# Altium PCB ControlBoard.PcbDoc (part 1 of 2)
Units mm, origin at the board's own origin, x right, y up, seen from the top; angles counter-clockwise.
Board outline 111.33 x 150.7 mm, 2 copper layers (Top Layer, Bottom Layer); 147 components, 78 nets, 422 pads, 115 vias.
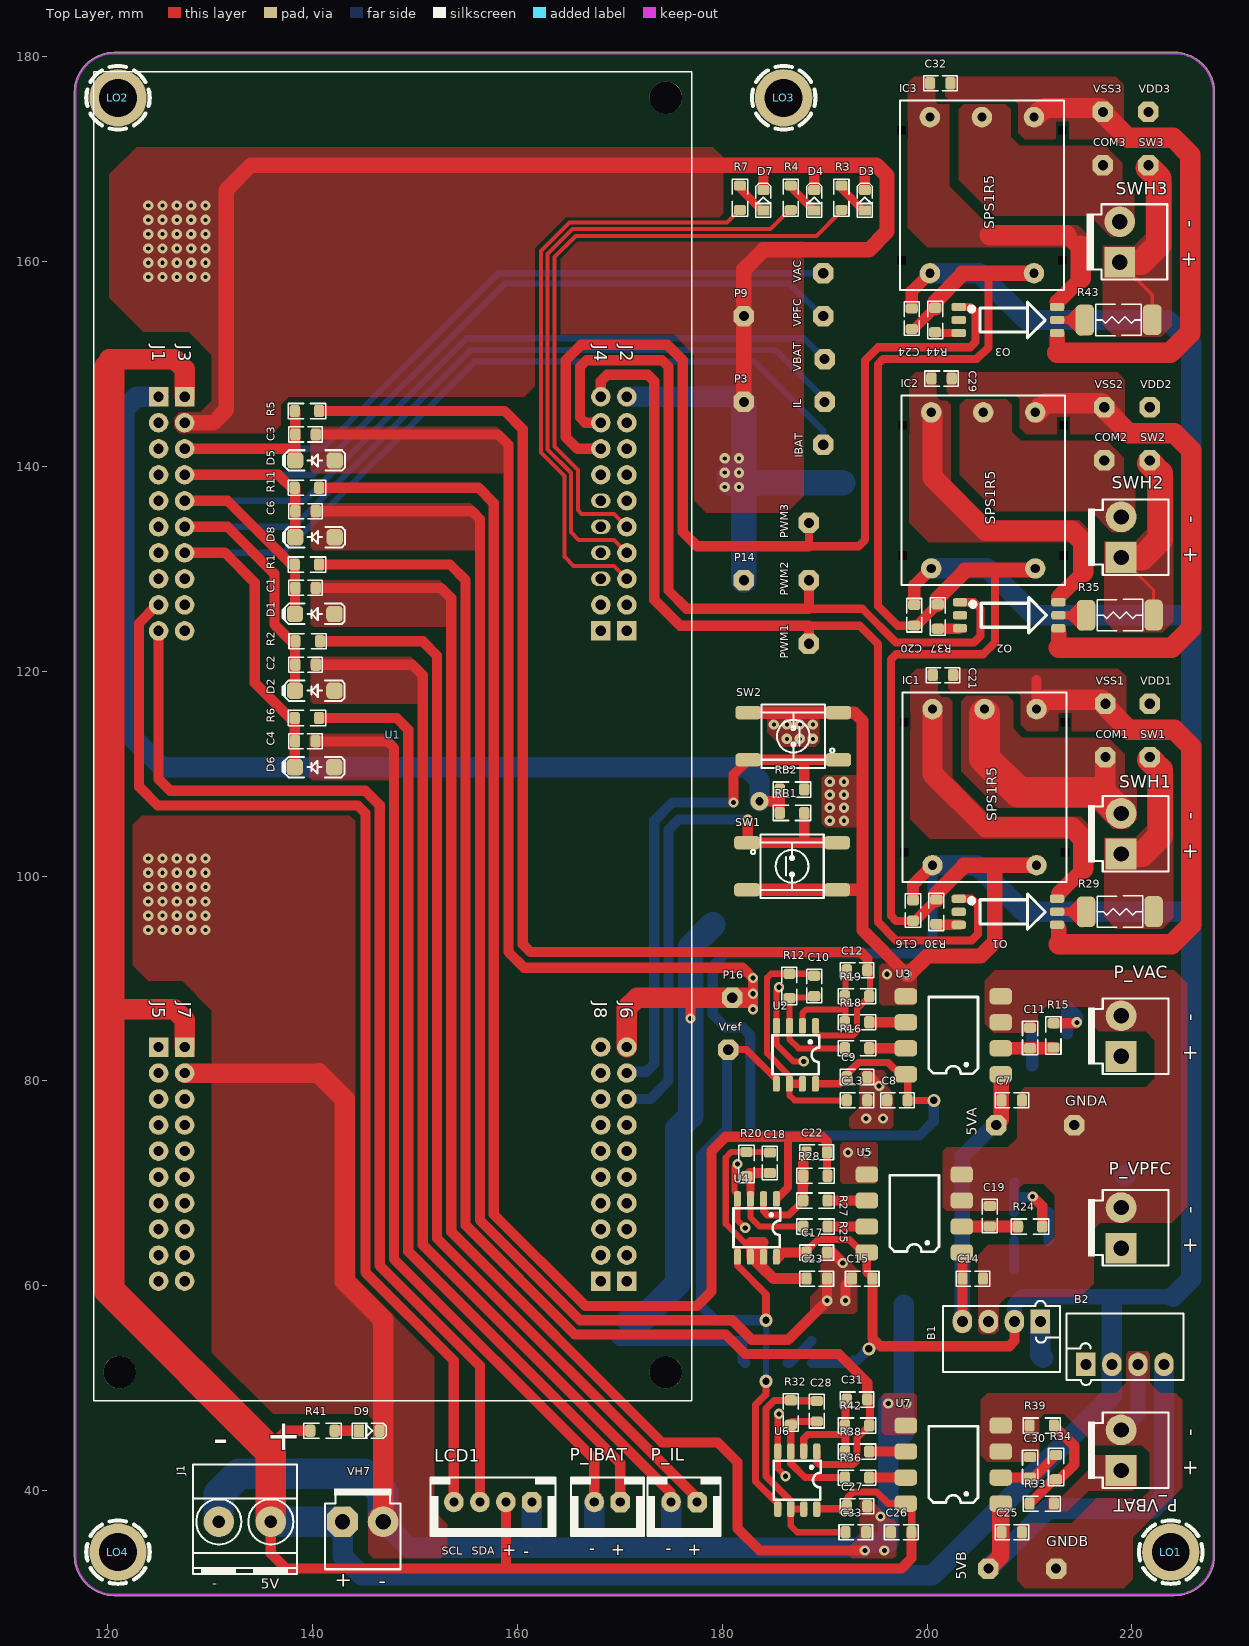
[diagram p0: Top Layer view]
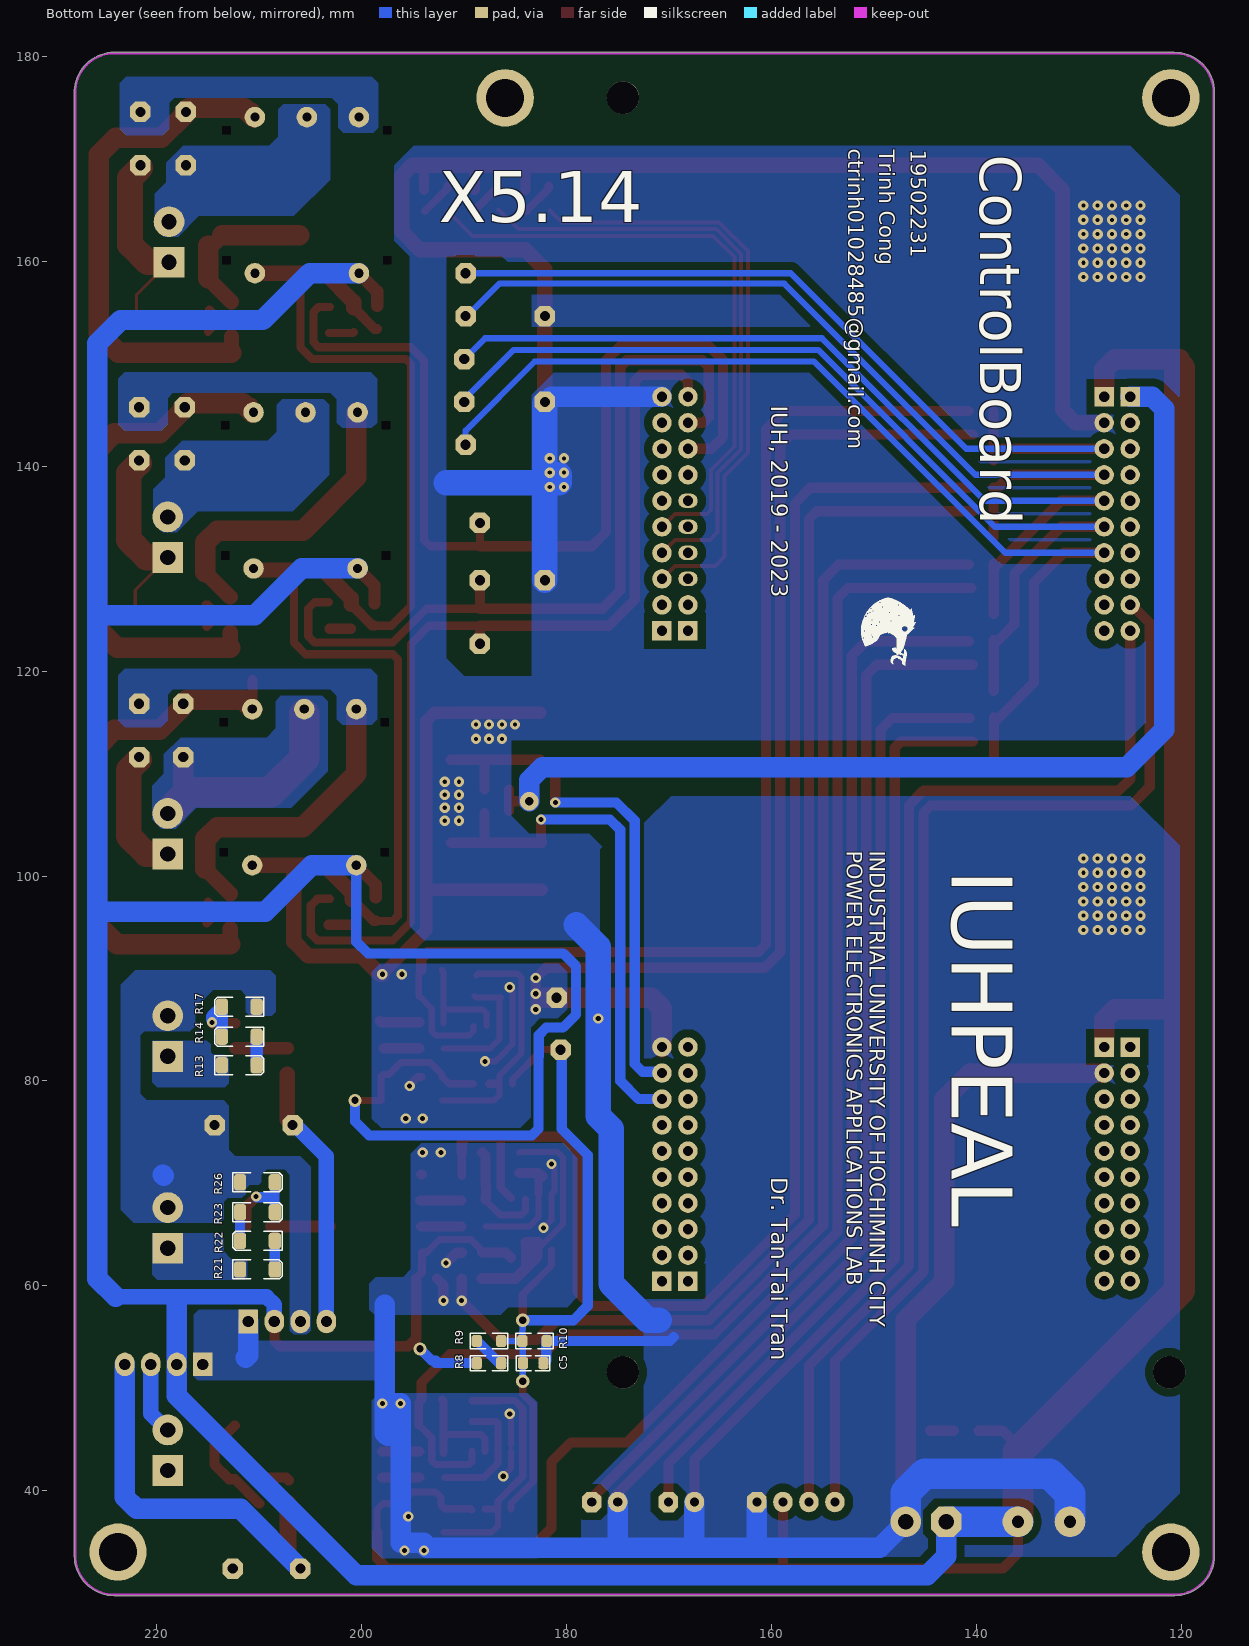
[diagram p1: Bottom Layer view, seen from below]

## Layer stack, top to bottom
Top Solder: solder mask 0.0102, Solder Resist, Dk 3.5
Top Layer: signal copper 0.0356
Dielectric 1: dielectric 0.32, FR-4, Dk 4.8
Bottom Layer: signal copper 0.0356
Bottom Solder: solder mask 0.0102, Solder Resist, Dk 3.5

## Board outline
116.74,33.652 cw(c116.835,33.655) 116.74,33.655 116.74,176.53 cw(c116.84,176.53) 116.74,176.532 cw(c120.65,176.53) 120.649,180.44 cw(c120.649,179.463) 120.65,180.44 224.155,180.44 cw(c224.155,180.375) 224.156,180.44 cw(c224.155,176.53) 228.062,176.681 cw(c227.965,176.657) 228.065,176.657 228.065,33.655 cw(c228,33.655) 228.065,33.654 ccw(c227.088,33.654) 228.065,33.655 228.065,33.654 cw(c224.155,33.655) 224.155,29.745 120.65,29.745 cw(c120.65,29.845) 120.649,29.745 ccw(c120.649,30.722) 120.65,29.745 120.649,29.745 cw(c120.65,33.655)

## Design rules (kind name [scope] priority, off if disabled: settings)
Clearance [All] p1: gap=0.254 ignorepadtopadclearanceinfootprint=FALSE
PolygonConnect [All] p1: connectstyle=Direct reliefconductorwidth=0.254 reliefentries=4 polygonreliefangle="90 Angle" airgapwidth=0.254
RoutingVias [All] p1: holewidth=0.711 width=1.27 viastyle="Through Hole" minholewidth=0.711 minwidth=1.27 maxholewidth=0.711 maxwidth=1.27
SolderMaskExpansion [All] p1: expansion=0.102 istentingtop=FALSE
Width [All] p1: maxlimit=10 minlimit=0.3 preferedwidth=1
30 further rules are at their usual default settings.

## Components (designator, comment, footprint, x,y, rotation, side; value= is the part's Value field where it differs from the comment)
5VA "test PCB" tp_red_1p 206.756,75.692 r0 top
5VB "test PCB" tp_red_1p 205.994,32.385 r0 top
B1 "B0505S 1WR3" B0505S 207.264,56.515 r180 top
B2 "B0505S 1WR3" B0505S 219.329,52.324 r0 top
C1 "22nF" cap_0805 139.319,128.143 r180 top
C2 "4.7nF" cap_0805 139.319,120.65 r180 top
C3 "4.7nF" cap_0805 139.319,143.129 r180 top
C4 "22nF" cap_0805 139.297,113.186 r180 top
C5 "100nF" cap_0805 183.261,52.451 r0 bottom
C6 "22nF" cap_0805 139.319,135.636 r180 top
C7 "100nF" cap_0805 208.28,78.105 r180 top
C8 "100nF" cap_0805 197.104,78.105 r180 top
C9 "100nF" cap_0805 193.167,80.391 r0 top
C10 "150pF" cap_0805 188.976,89.281 r90 top
C11 "4.7nF" cap_0805 210.058,84.201 r270 top
C12 "150pF" cap_0805 193.167,90.805 r180 top
C13 "1nF" cap_0805 193.167,78.105 r180 top
C14 "100nF" cap_0805 204.47,60.706 r180 top
C15 "100nF" cap_0805 193.675,60.706 r180 top
C16 "100nF" cap_0805 198.628,96.647 r90 top
C17 "100nF" cap_0805 189.23,63.246 r0 top
C18 "150pF" cap_0805 184.658,72.009 r90 top
C19 "22nF" cap_0805 206.121,66.802 r270 top
C20 "100nF" cap_0805 198.755,125.476 r90 top
C21 "0.1uF" cap_0805 201.549,119.634 r180 top
C22 "150pF" cap_0805 189.23,73.025 r180 top
C23 "1nF" cap_0805 189.23,60.706 r180 top
C24 "100nF" cap_0805 198.501,154.432 r90 top
C25 "100nF" cap_0805 208.28,35.941 r180 top
C26 "100nF" cap_0805 197.485,35.941 r180 top
C27 "100nF" cap_0805 193.167,38.481 r0 top
C28 "150pF" cap_0805 189.23,47.752 r90 top
C29 "0.1uF" cap_0805 201.422,148.59 r180 top
C30 "22nF" cap_0805 210.058,42.291 r270 top
C31 "150pF" cap_0805 193.167,48.895 r180 top
C32 "0.1uF" cap_0805 201.295,177.419 r180 top
C33 "1nF" cap_0805 193.04,35.941 r180 top
COM1 "test PCB" tp_white_1p 217.424,111.633 r0 top
COM2 "test PCB" tp_white_1p 217.297,140.589 r0 top
COM3 "test PCB" tp_white_1p 217.17,169.418 r0 top
D1 "ZMM3V3" D_SOD80 140.208,125.603 r180 top
D2 "ZMM3V3" D_SOD80 140.208,118.11 r180 top
D3 "=VALUE" LED0805RED 193.929,165.989 r90 top
D4 "=VALUE" LED0805RED 188.976,165.989 r90 top
D5 "ZMM3V3" D_SOD80 140.23,140.589 r180 top
D6 "ZMM3V3" D_SOD80 140.186,110.646 r180 top
D7 "=VALUE" LED0805RED 184.023,165.989 r90 top
D8 "ZMM3V3" D_SOD80 140.23,133.096 r180 top
D9 "=VALUE" LED0805RED 145.542,45.847 r0 top
GNDA "test PCB" Tp_black_1p 214.376,75.692 r0 top
GNDB "test PCB" Tp_black_1p 212.598,32.385 r0 top
IBAT "test PCB" tp_yellow_1p 189.865,142.113 r180 top
IC1 "SPD1R5-5-1515" SPS1R5 213.614,99.441 r90 top
IC2 "SPD1R5-5-1515" SPS1R5 213.486,128.418 r90 top
IC3 "SPD1R5-5-1515" SPS1R5 213.359,157.247 r90 top
IL "test PCB" tp_yellow_1p 189.992,146.304 r180 top
J1 "CONN_TB2" TBG_2 133.386,36.957 r180 top
LCD1 "HHDR_4" XH_4 157.607,38.887 r180 top
LO1 "LO KHOAN" SCMH_M3P5FT 223.8,34 r0 top
LO2 "LO KHOAN" SCMH_M3P5FT 121,176 r0 top
LO3 "LO KHOAN" SCMH_M3P5FT 186,176 r0 top
LO4 "LO KHOAN" SCMH_M3P5FT 121,34 r0 top
O1 "TLP5754" TLP5754 207.899,96.52 r0 top
O2 "TLP5754" TLP5754 208.026,125.476 r0 top
O3 "TLP5754" TLP5754 207.899,154.305 r0 top
P3 "test PCB" Tp_black_1p 182.118,146.304 r90 top
P9 "test PCB" Tp_black_1p 182.118,154.686 r90 top
P14 "test PCB" Tp_black_1p 182.118,128.905 r0 top
P16 "test PCB" Tp_black_1p 180.975,88.138 r270 top
P_IBAT "HHDR_2" XH_2 168.783,38.887 r180 top
P_IL "HHDR_2" XH_2 176.276,38.887 r180 top
P_VAC "HHDR_2" VH-2#1 218.948,84.38 r90 top
P_VBAT "HHDR_2" VH-2#1 218.948,43.942 r90 top
P_VPFC "HHDR_2" VH-2#1 218.948,65.659 r90 top
PWM1 "test PCB" tp_yellow_1p 188.468,122.682 r0 top
PWM2 "test PCB" tp_yellow_1p 188.468,128.905 r0 top
PWM3 "test PCB" tp_yellow_1p 188.468,134.493 r0 top
R1 "470" R0805 139.446,130.429 r0 top
R2 "680" R0805 139.525,122.936 r0 top
R3 "1K" R0805 191.643,166.243 r90 top
R4 "1K" R0805 186.69,166.243 r90 top
R5 "680" R0805 139.446,145.415 r0 top
R6 "470" R0805 139.446,115.443 r0 top
R7 "1K" R0805 181.737,166.243 r90 top
R8 "2K" R0805 187.579,52.451 r0 bottom
R9 "2K" R0805 187.579,54.61 r0 bottom
R10 "1K" R0805 183.134,54.61 r0 bottom
R11 "470" R0805 139.446,137.922 r0 top
R12 "1.2K" R0805 186.563,89.281 r90 top
R13 "1M" R1206 211.963,81.534 r180 bottom
R14 "1M" R1206 211.963,84.328 r0 bottom
R15 "680" R0805 212.344,84.455 r90 top
R16 "1K" R0805 193.167,83.185 r180 top
R17 "1.2K" R1206 211.963,87.249 r0 bottom
R18 "1K" R0805 193.167,85.725 r180 top
R19 "1.2K" R0805 193.167,88.265 r180 top
R20 "1.5K" R0805 182.372,71.882 r90 top
R21 "1M" R1206 210.185,61.595 r180 bottom
R22 "1M" R1206 210.185,64.389 r0 bottom
R23 "1M" R1206 210.185,67.183 r180 bottom
R24 "470" R0805 210.058,65.786 r0 top
R25 "1K" R0805 189.103,65.786 r180 top
R26 "1.2K" R1206 210.185,70.104 r180 bottom
R27 "1K" R0805 189.103,68.326 r180 top
R28 "1.5K" R0805 189.103,70.739 r180 top
R29 "8R2 1W" R2512 218.821,96.52 r0 top
R30 "150R" R0805 200.914,96.52 r270 top
R32 "4.7K" R0805 186.69,47.625 r90 top
R33 "680K" R0805 211.201,38.735 r180 top
R34 "470" R0805 212.598,42.291 r270 top
R35 "8R2 1W" R2512 218.821,125.476 r0 top
R36 "3.3K" R0805 193.167,41.275 r180 top
R37 "150R" R0805 201.041,125.349 r270 top
R38 "3.3K" R0805 193.167,43.815 r180 top
R39 "3K" R0805 211.201,46.355 r0 top
R41 "1K" R0805 140.97,45.847 r0 top
R42 "4.7K" R0805 193.167,46.355 r180 top
R43 "8R2 1W" R2512 218.694,154.305 r0 top
R44 "150R" R0805 200.787,154.305 r270 top
RB1 "10K" R0805 186.817,106.172 r0 top
RB2 "10K" R0805 186.817,108.458 r0 top
SW1 "SW" SWPBS_SPDT_6X6X5 186.817,100.965 r0 top value="Button chip 4 pin"
SW1 "test PCB" Tp_blue_1p 221.742,111.633 r0 top
SW2 "SW" SWPBS_SPDT_6X6X5 186.944,113.665 r180 top value="Button chip 4 pin"
SW2 "test PCB" Tp_blue_1p 221.742,140.589 r0 top
SW3 "test PCB" Tp_blue_1p 221.615,169.418 r0 top
SWH1 "HHDR_2" VH-2#1 218.948,104.14 r90 top
SWH2 "HHDR_2" VH-2#1 218.948,133.096 r90 top
SWH3 "HHDR_2" VH-2#1 218.821,161.925 r90 top
U1 "LAUNCHXL-F28379D" MOD_LC-F28379D 147.828,113.157 r0 top
U2 "LM358" SOIC-8 187.198,82.55 r270 top
U3 "HCPL 7800" SOP-8P 202.565,86.36 r180 top
U4 "LM358" SOIC-8 183.388,65.659 r270 top
U5 "HCPL 7800" SOP-8P 198.755,68.961 r180 top
U6 "LM358" SOIC-8 187.325,41.021 r270 top
U7 "HCPL 7800" SOP-8P 202.565,44.45 r180 top
VAC "test PCB" tp_yellow_1p 189.865,158.877 r180 top
VBAT "test PCB" tp_yellow_1p 189.992,150.495 r180 top
VDD1 "test PCB" tp_red_1p 221.742,116.84 r0 top
VDD2 "test PCB" tp_red_1p 221.742,145.796 r0 top
VDD3 "test PCB" tp_red_1p 221.615,174.625 r0 top
VH7 "HHDR_2" VH-2#2 144.907,36.957 r0 top
VPFC "test PCB" tp_yellow_1p 189.865,154.686 r90 top
Vref "test PCB" tp_red_1p 180.594,83.058 r270 top
VSS1 "test PCB" Tp_black_1p 217.424,116.84 r0 top
VSS2 "test PCB" Tp_black_1p 217.297,145.796 r0 top
VSS3 "test PCB" Tp_black_1p 217.17,174.625 r0 top

## Footprints (in the part's own frame and the unit in brackets; to place one, negate y for a bottom-side part, rotate by r counter-clockwise, add the part's x,y. Pads: shape width x height; smd on the part's side, far side on the other; paste and mask are expansions set on the pad)
B0505S [mm] "B0505S 1WR3 Isolated Module DC DC Converter"
  rect 1.9x2.3 hole 1.1: 1(-3.81,0)
  oval 1.9x2.3 hole 1.1: 2(-1.27,0) 3(1.27,0) 4(3.81,0)
  silkscreen extent -5.72,-2.02 5.71,4.95, body extent -5.8,-0.92 5.8,5.08, height 10.26
cap_0805 [mm] "CHIP Capacitor, 2.0X1.3mm, 0805"
  rrect50% 1x1.2 smd mask+0.075: 1(-1,0) 2(1,0)
  silkscreen extent -1.64,-0.74 1.64,0.74, body extent -1,-0.62 1,0.63, height 1
D_SOD80 [mm] "SOD-80 500mW"
  rrect50% 1.6x1.6 smd paste-0.1: 1(-1.927,0) 2(1.927,0)
  silkscreen extent -2.93,-1 3.13,1, body extent -1.75,-0.74 1.75,0.76, height 1.5
LED0805RED [mm] "LED SMD 0805, RED"
  rect 1x1.2 smd mask+0.075: 1(-1,0)
  rrect50% 1x1.2 smd mask+0.075: 2(1,0)
  Top Layer pour cut-out: -0.5,0.8 0.5,0.8 0.5,-0.8 -0.5,-0.8
  silkscreen extent -1.65,-0.74 1.65,0.74, body extent -1,-0.63 1,0.63, height 0.7
MOD_LC-F28379D [mm]
  rect 1.9x1.9 hole 1: J1_1(-22.86,33.655) J2_1(22.86,10.795) J3_1(-20.32,33.655) J4_1(20.32,10.795) J5_1(-22.86,-29.845) J6_1(22.86,-52.705) J7_1(-20.32,-29.845) J8_1(20.32,-52.705)
  round 1.9 hole 1: J1_2(-22.86,31.115) J1_3(-22.86,28.575) J1_4(-22.86,26.035) J1_5(-22.86,23.495) J1_6(-22.86,20.955) J1_7(-22.86,18.415) J1_8(-22.86,15.875) J1_9(-22.86,13.335) J1_10(-22.86,10.795) J2_2(22.86,13.335) J2_3(22.86,15.875) J2_4(22.86,18.415) J2_5(22.86,20.955) J2_6(22.86,23.495) J2_7(22.86,26.035) J2_8(22.86,28.575) J2_9(22.86,31.115) J2_10(22.86,33.655) J3_2(-20.32,31.115) J3_3(-20.32,28.575) J3_4(-20.32,26.035) J3_5(-20.32,23.495) J3_6(-20.32,20.955) J3_7(-20.32,18.415) J3_8(-20.32,15.875) J3_9(-20.32,13.335) J3_10(-20.32,10.795) J4_2(20.32,13.335) J4_7(20.32,26.035) J4_8(20.32,28.575) J4_9(20.32,31.115) J4_10(20.32,33.655) J5_2(-22.86,-32.385) J5_3(-22.86,-34.925) J5_4(-22.86,-37.465) J5_5(-22.86,-40.005) J5_6(-22.86,-42.545) J5_7(-22.86,-45.085) J5_8(-22.86,-47.625) J5_9(-22.86,-50.165) J5_10(-22.86,-52.705) J6_2(22.86,-50.165) J6_3(22.86,-47.625) J6_4(22.86,-45.085) J6_5(22.86,-42.545) J6_6(22.86,-40.005) J6_7(22.86,-37.465) J6_8(22.86,-34.925) J6_9(22.86,-32.385) J6_10(22.86,-29.845) J7_2(-20.32,-32.385) J7_3(-20.32,-34.925) J7_4(-20.32,-37.465) J7_5(-20.32,-40.005) J7_6(-20.32,-42.545) J7_7(-20.32,-45.085) J7_8(-20.32,-47.625) J7_9(-20.32,-50.165) J7_10(-20.32,-52.705) J8_2(20.32,-50.165) J8_3(20.32,-47.625) J8_4(20.32,-45.085) J8_5(20.32,-42.545) J8_6(20.32,-40.005) J8_7(20.32,-37.465) J8_8(20.32,-34.925) J8_9(20.32,-32.385) J8_10(20.32,-29.845)
  oval 1.9x1.4 hole 1: J4_3(20.32,15.875) J4_4(20.32,18.415) J4_5(20.32,20.955) J4_6(20.32,23.495)
  round 3.175 hole 3.175 unplated: ""(-26.67,-61.595) ""(-26.67,62.865) ""(26.67,-61.595) ""(26.67,62.865)
  silkscreen extent -29.21,-64.39 29.21,65.41, body extent -24,-53.98 24,34.93, height 8.61
R0805 [mm] "0.125W 1/8W"
  rrect50% 1x1.2 smd mask+0.05: 1(-1.191,0) 2(1.191,0)
  silkscreen extent -1.83,-0.74 1.83,0.74, body extent -1.15,-0.67 1.15,0.67, height 0.76
R1206 [mm] "0.25W 1/4W"
  rrect50% 1.2x1.6 smd mask+0.05: 1(-1.699,0) 2(1.699,0)
  silkscreen extent -2.41,-0.93 2.41,0.93, body extent -1.6,-0.8 1.6,0.8, height 0.62
R2512 [mm] "CHIP RESISTOR 1WATT 2512"
  rrect50% 1.8x3 smd mask+0.05: 1(-3.287,0) 2(3.298,0.022)
  silkscreen extent -2.22,-1.52 2.22,1.55, body extent -3.15,-1.6 3.15,1.6, height 0.66
SCMH_M3P5FT [mm] "SCREW mouting, M3.5, 3.5mm diameter and 7.0mm, FlatHead"
  round 5.6 / inner round 4 / far side round 5.6 hole 3.7 mask+0.1: 1(0,0)
  Top Layer pour cut-out: 0,3.3 -0.216,3.3 -0.645,3.244 -1.063,3.132 -1.463,2.966 -1.837,2.75 -2.181,2.486 -2.486,2.181 -2.75,1.837 -2.966,1.463 -3.132,1.063 -3.244,0.645 -3.3,0.216 -3.3,0 -3.3,0 -3.3,-0.216 -3.244,-0.645 -3.132,-1.063 -2.966,-1.463 -2.75,-1.837 -2.486,-2.181 -2.181,-2.486 -1.837,-2.75 -1.463,-2.966 -1.063,-3.132 -0.645,-3.244 -0.216,-3.3 0,-3.3 0,-3.3 0.216,-3.3 0.645,-3.244 1.063,-3.132 1.463,-2.966 1.837,-2.75 2.18,-2.486 2.486,-2.181 2.75,-1.837 2.966,-1.463 3.132,-1.063 3.244,-0.645 3.3,-0.216 3.3,0 3.3,0.216 3.244,0.645 3.132,1.063 2.966,1.463 2.75,1.837 2.486,2.181 2.181,2.486 1.837,2.75 1.463,2.966 1.063,3.132 0.645,3.244 0.216,3.3 0,3.3
  Bottom Layer pour cut-out: 0,3.3 -0.216,3.3 -0.645,3.244 -1.063,3.132 -1.463,2.966 -1.837,2.75 -2.181,2.486 -2.486,2.181 -2.75,1.837 -2.966,1.463 -3.132,1.063 -3.244,0.645 -3.3,0.216 -3.3,0 -3.3,0 -3.3,-0.216 -3.244,-0.645 -3.132,-1.063 -2.966,-1.463 -2.75,-1.837 -2.486,-2.181 -2.181,-2.486 -1.837,-2.75 -1.463,-2.966 -1.063,-3.132 -0.645,-3.244 -0.216,-3.3 0,-3.3 0,-3.3 0.216,-3.3 0.645,-3.244 1.063,-3.132 1.463,-2.966 1.837,-2.75 2.18,-2.486 2.486,-2.181 2.75,-1.837 2.966,-1.463 3.132,-1.063 3.244,-0.645 3.3,-0.216 3.3,0 3.3,0.216 3.244,0.645 3.132,1.063 2.966,1.463 2.75,1.837 2.486,2.181 2.181,2.486 1.837,2.75 1.463,2.966 1.063,3.132 0.645,3.244 0.216,3.3 0,3.3
  silkscreen extent -3.1,-3.1 3.1,3.1
SOIC-8 [mm]
  rrect50% 1.5x0.7 smd: 1(-2.827,1.905) 2(-2.827,0.635) 3(-2.827,-0.635) 4(-2.827,-1.905) 5(2.827,-1.905) 6(2.827,-0.635) 7(2.827,0.635) 8(2.827,1.905)
  silkscreen extent -1.91,-2.29 1.91,2.29, body extent -3,-2.45 3,2.45, height 1.7
SOP-8P [mm]
  rrect50% 2.2x1.6 smd: 1(-4.636,5.715) 2(-4.636,3.175) 3(-4.635,0.635) 4(-4.635,-1.905) 5(4.635,-1.905) 6(4.635,0.635) 7(4.635,3.175) 8(4.635,5.715)
  silkscreen extent -2.41,-1.84 2.41,5.65, body extent -4.76,-2.99 4.89,6.81, height 3.78
SPS1R5 [mm] "SPS1R5"
  round 2 hole 0.9: 1(1.63,13.08) 2(1.63,2.92) 3(16.87,2.92) 4(16.87,8) 5(16.87,13.08)
  round 0 hole 0.8 square: ""(2.9,15.85) ""(2.9,0.15) ""(15.6,0.15) ""(15.6,15.85)
  silkscreen extent 0,0 18.5,16
SWPBS_SPDT_6X6X5 [mm] "SWITCH, PUSHBUTTON, SMD, SPDT, 6X6mm 4PIN"
  rrect50% 2.5x1.3 smd mask+0.1: 1(-4.4,2.3) 2(-4.4,-2.3) 3(4.4,2.3) 4(4.4,-2.3)
  silkscreen extent -4,-3.1 3.1,3.1, body extent -5,-3 5,3, height 5.07
TBG_2 [mm] "Terminal Block Green"
  round 3 hole 1.2: 1(-2.54,0) 2(2.54,0)
  silkscreen extent -5.08,-5.6 5.05,5.08, body extent -5,-5.5 5,5, height 14
TLP5754 [mm] "TLP5754"
  rrect50% 1.4x0.8 smd: 1(-4.8,1.27) 2(-4.8,0) 3(-4.8,-1.27) 4(4.8,-1.27) 5(4.8,0) 6(4.8,1.27)
  silkscreen extent -3.76,-1.75 3.63,1.75, body extent -5,-1.92 5,1.92, height 2.2
Tp_black_1p [mm]
  oct 2x2 hole 1: 1(0,0)
  body extent -1.15,-1.15 1.15,1.15, height 5
Tp_blue_1p [mm]
  oct 2x2 hole 1: 1(0,0)
  body extent -1.15,-1.15 1.15,1.15, height 5
tp_red_1p [mm]
  oct 2x2 hole 1: 1(0,0)
  body extent -1.15,-1.15 1.15,1.15, height 5
tp_white_1p [mm]
  oct 2x2 hole 1: 1(0,0)
  body extent -1.15,-1.15 1.15,1.15, height 5
tp_yellow_1p [mm]
  oct 2x2 hole 1: 1(0,0)
  body extent -1.15,-1.15 1.15,1.15, height 5
VH-2#1 [mm] "PW10-xx-M, JST-BxB-XH-A pitch: 2.5mm"
  rect 3x3 hole 1.5: 1(-1.98,0)
  round 3 hole 1.5: 2(1.98,0)
  silkscreen extent -3.68,-4.64 3.68,3.24, body extent -3.93,-4.8 3.93,3.7, height 10.9
VH-2#2 [mm] "PW10-xx-M, JST-BxB-XH-A pitch: 2.5mm"
  oct 3x3 hole 1.5: 1(-1.98,0)
  round 3 hole 1.5: 2(1.98,0)
  silkscreen extent -3.68,-4.64 3.68,3.24, body extent -3.93,-4.8 3.93,3.7, height 10.9
XH_2 [mm] "PW10-xx-M, JST-BxB-XH-A pitch: 2.5mm"
  oct 1.9x2 hole 0.9: 1(-1.27,0)
  oval 1.9x2 hole 0.9: 2(1.27,0)
  silkscreen extent -3.56,-2.4 3.56,3.3, body extent -3.61,-2.49 3.61,3.35, height 7.21
XH_4 [mm] "PW10-xx-M, JST-BxB-XH-A pitch: 2.5mm"
  oct 1.9x2 hole 0.9: 1(-3.81,0)
  oval 1.9x2 hole 0.9: 2(-1.27,0) 3(1.27,0) 4(3.81,0)
  silkscreen extent -6.1,-2.4 6.1,3.3, body extent -6.15,-2.49 6.15,3.35, height 7.21

## Part data
5VA 5VB COM1 COM2 COM3 GNDA GNDB IBAT IL P3 P9 P14 P16 PWM1 PWM2 PWM3 SW1 SW2 SW3 VAC VBAT VDD1 VDD2 VDD3 VPFC Vref VSS1 VSS2 VSS3: "testpin"
B1 B2: "B0505S 1WR3 Isolated Module DC DC Converter"
C1 C2 C3 C4 C5 C6 C7 C8 C9 C10 C11 C12 C13 C14 C15 C16 C17 C18 C19 C20 C21 C22 C23 C24 C25 C26 C27 C28 C29 C30 C31 C32 C33: library part "CAP SMD", "CAP SMD", ASSEMBLY=ASSEMBLY, MANF=-, MANF_P#=MANF_PART#, PARAM="-, -%", PARAM2=-V, PRICE="100= 1$"
D1 D2 D5 D6 D8: library part "DIODE Zener", "DIODE ZENER", ASSEMBLY=ASSEMBLY, DESC=DESCRIPTION, MANF=MANF, MANF_P#=1N4148, PARAM=75V, PARAM2=0.3A, PRICE=PRICE
D3 D4 D7 D9: library part LED_SMD_0805_RED, "LED, SMD, 0805, RED", ASSEMBLY=ASSEMBLY, DESC=DESCRIPTION, MANF=MANF, MANF_P#=MANF_PART#, PARAM2=2.2V, PRICE=36t@Javan
IC1 IC2 IC3: "Power supply Driver SPD1R5-5-1515 / Efficiency 80% / Input 0.381A / Output 50mA"
J1: "CONN, TERMINAL BLOCK, 5.08mm pitch"
LCD1: library part "LCD I2C", "LCD I2C JST-XH pitch: 2.5mm"
O1 O2 O3: Package="DIP-8 Toshiba", Availability="In Stock", Check_prices=https://www.snapeda.com/parts/TLP250/Toshiba+Semiconductor+and+Storage/view-part/?ref=eda, MF="Toshiba Semiconductor", MP=TLP250, PRICE=None, Purchase-URL=https://pricing.snapeda.com/search/part/TLP250/?ref=eda, SnapEDA_Link=https://www.snapeda.com/parts/TLP250/Toshiba+Semiconductor+and+Storage/view-part/?ref=snap
P_IBAT P_IL: library part XH_2, "XH 2 JST-XH pitch: 2.5mm"
P_VAC P_VBAT P_VPFC SWH1 SWH2 SWH3 VH7: library part VH-2, "VH-2"
R1 R2 R3 R4 R5 R6 R7 R8 R9 R10 R11 R12 R13 R14 R15 R16 R17 R18 R19 R20 R21 R22 R23 R24 R25 R26 R27 R28 R29 R30 R32 R33 R34 R35 R36 R37 R38 R39 R41 R42 R43 R44 RB1 RB2: library part "RES SMD", "RES SMD", ASSEMBLY=ASSEMBLY, DESC=DESCRIPTION, DIST#=MOUSER, MANF=VISHAY, MANF_P#=WSLP0805R0100FEA, PARAM="0.5W, -55~155oC", PARAM2=1%, PRICE=0.5$
SW1 SW2: library part SW4, "Switch button 4 pin"
U1: Package=None, Availability=Unavailable, MP=LAUNCHXL-F28379D, PRICE=None
U2 U4 U6: "LM358 Dual Opamp"
U3 U5 U7: "HCPL 7800 Isolation Amplifer, Opamp"

## Via types
v1: diameter 1, hole 0.4, Top Layer to Bottom Layer, 81 vias
v2: diameter 1, hole 0.5, Top Layer to Bottom Layer, 29 vias
v3: diameter 1.3, hole 0.711, Top Layer to Bottom Layer, 2 vias
v4: diameter 1.27, hole 0.711, Top Layer to Bottom Layer, 1 vias
v5: diameter 1.8, hole 0.8, Top Layer to Bottom Layer, 1 vias
v6: diameter 1.27, hole 0.7, Top Layer to Bottom Layer, 1 vias

## Nets (pads, with @x,y where several pads share a name; then routed paths per layer and width w, separated by ;. In a path a pad name is that pad's centre, name@x,y a point inside that pad or via, vN(x,y) a via of type N, cw(c..) or ccw(c..) an arc to the next point about the centre after c; other vN are vias at no path point)
1VA: C10.2 C13.2 R12.2 U2.6 U2.7 | length 23.6
  Top Layer w0.6: U2.6@186.563,79.723 186.563,78.613 187.071,78.105 C13.2@192.151,78.105 ; U2.6@186.563,79.883 186.563,80.518 184.389,82.692 184.389,84.5 184.389,90.075 184.785,90.472 R12.2@186.563,90.472 188.674,90.472 C10.2@188.849,90.297
  Top Layer w0.8: U2.6@186.69,79.756 186.723,79.723 U2.7@187.579,79.723
1VB: C18.2 C23.2 R20.2 U4.6 U4.7 | length 24.8
  Top Layer w0.6: 182.435,63.944 180.34,66.04 180.34,72.517 180.896,73.073 R20.2@182.372,73.073 184.594,73.073 C18.2@184.658,73.009
  Top Layer w1: 182.753,64.262 184.023,64.262
  Top Layer w1.1: 182.88,64.102 182.88,63.5 182.88,62.832 183.761,61.951 185.006,60.706 C23.2@188.23,60.706 ; U4.7@183.896,62.086 183.896,62.832 183.896,64.102
1VC: C28.2 C33.2 R32.2 U6.6 U6.7 | length 24.7
  Top Layer w0.6: U6.6@186.69,38.194 186.69,36.576 187.325,35.941 C33.2@192.024,35.941
  Top Layer w0.7: R32.2@186.563,48.768 189.214,48.768 C28.2@189.23,48.752 ; R32.2@186.69,48.816 185.073,48.806 184.277,48 184.277,41.402 186.69,38.989 U6.6@186.69,38.194 U6.7@187.96,38.194
3V3: RB1.1 RB2.1 U1.J1_1 | length 105.3
  Top Layer w1: v5(183.642,107.315) 185.626,107.315 ; RB1.1@185.626,106.378 185.626,107.315 ; RB2.1@185.626,108.458 185.626,107.315
  Bottom Layer w2: U1.J1_1@124.968,146.812 122.809,146.812 121.634,145.637 121.634,114.3 125.317,110.617 182.372,110.617 183.642,109.347 v5(183.642,107.315)
5VA: 5VA.1 B1.4 C7.2 C14.2 U3.1 U5.1 | length 32.6
  Top Layer w1: U5.1@203.391,63.246 203.47,63.167 C14.2@203.47,60.706 B1.4@203.47,56.531
  Top Layer w1.5: 5VA.1@206.756,75.692 207.264,76.2 U3.1@207.264,80.645
  Bottom Layer w1.5: B1.4@203.454,56.515 203.454,72.644 206.502,75.692 5VA.1@206.756,75.692
5VB: 5VB.1 B2.4 C25.2 U7.1 | length 39.8
  Top Layer w1.7: 5VB.1@205.994,32.385 207.201,33.591 U7.1@207.201,38.735
  Bottom Layer w2: 5VB.1@205.994,32.385 211.836,38.227 221.996,38.227 223.139,39.37 B2.4@223.139,52.324
+5: B1.2 B2.2 C8.1 C9.1 C15.1 C16.2 C17.1 C20.2 C24.2 C26.1 C27.1 IC1.1 IC2.1 IC3.1 J1.1 LCD1.2 R8.2 R41.1 U1.J3_1 U1.J7_1 U2.8 U3.8 U4.8 U5.8 U6.8 U7.8 VH7.1 | length 669.5
  Top Layer w0.7: C17.1@188.214,63.373 189.357,64.516 192.405,64.516 U5.8@193.675,63.246 ; U2.8@189.103,79.723 191.483,79.723 C9.1@192.151,80.391 ; U6.8@189.23,38.1 189.357,38.227 191.897,38.227 192.278,38.608 192.278,39.37 192.786,39.878 195.072,39.878 196.215,38.735 U7.8@197.929,38.735 198.501,38.163 C26.1@198.501,35.941 ; C9.1@192.167,80.391 192.167,80.661 193.294,81.788 196.215,81.788 197.358,80.645 U3.8@197.929,80.645 198.12,80.454 C8.1@198.12,78.105 ; C8.1@198.104,78.105 C8.1@198.12,78.105 ; v4(200.66,78.105) C8.1@198.12,78.105
  Top Layer w0.8: U5.8@193.675,63.246 U5.8@194.119,63.246 194.119,61.277 C15.1@194.691,60.706
  Top Layer w1: 135.636,44.069 137.414,45.847 R41.1@139.779,45.847 ; J1.1@135.926,36.957 135.926,33.873 137.414,32.385 197.485,32.385 198.485,33.385 C26.1@198.485,35.941 ; 136.212,42.28 136.819,42.886 ; 158.877,32.512 LCD1.2@158.877,38.887 ; U4.8@185.42,62.738 185.928,63.246 C17.1@188.23,63.246 ; v6(194.31,53.848) 194.945,54.483 ; C15.1@194.675,60.706 194.675,54.88 195.453,54.102 208.026,54.102 208.534,54.61 B1.2@208.534,56.515
  Top Layer w1.2: C24.2@198.501,155.702 198.501,157.099 IC3.1@200.279,158.877 ; C16.2@198.628,97.917 198.628,99.165 IC1.1@200.534,101.071 ; C20.2@198.755,126.619 198.755,128.397 IC2.1@200.406,130.048
  Top Layer w2: 120.142,86.995 126.492,86.995 127.508,85.979 U1.J7_1@127.508,83.312 ; 120.142,150.495 126.492,150.495 127.508,149.479 U1.J3_1@127.508,146.812
  Top Layer w3: 120.142,149.606 120.142,86.995 120.142,59.563 135.926,43.779 135.926,42.28 J1.1@135.926,37.247
  Bottom Layer w1: R8.2@188.769,52.451 192.786,52.451 ; 192.786,52.705 193.167,52.705 v6(194.31,53.848) ; IC1.1@200.534,101.071 200.534,93.6 199.39,92.456 180.34,92.456 179.07,91.186 179.07,86.487 180.34,85.217 181.991,85.217 182.729,84.479 182.729,82.423 182.753,82.399 182.753,75.311 183.388,74.676 199.263,74.676 200.66,76.073 v4(200.66,78.105)
  Bottom Layer w1.5: B1.2@208.534,56.515 208.534,58.166 209.296,58.928 224.028,58.928
  Bottom Layer w2: VH7.1@142.927,36.957 142.927,33.603 144.78,31.75 200.533,31.75 218.059,49.276 B2.2@218.059,52.324 218.059,58.42 ; IC3.1@200.279,158.877 205.105,158.877 209.677,154.305 223.52,154.305 225.806,152.019 225.806,125.476 ; IC2.1@200.406,130.048 205.867,130.048 210.439,125.476 225.806,125.476 ; IC1.1@200.534,101.071 204.872,101.071 209.423,96.52 225.806,96.52 ; 224.028,58.928 225.806,60.706 225.806,96.52 ; 225.806,96.52 225.806,125.476
  Bottom Layer w3: J1.1@135.926,36.957 VH7.1@142.875,36.957
COM1: COM1.1 IC1.4 SWH1.2 | length 23.9
  Top Layer w2: 217.398,107.67 217.424,107.696 COM1.1@217.424,111.633
  Top Layer w3: IC1.4@205.614,115.824 205.614,111.505 208.915,108.204 216.864,108.204 217.398,107.67 SWH1.2@218.948,106.12
COM2: COM2.1 IC2.4 SWH2.2
COM3: COM3.1 IC3.4 SWH3.2
GND: B1.1 B2.1 C1.1 C2.1 C3.1 C4.1 C5.1 C6.1 C8.2 C9.2 C13.1 C15.2 C16.1 C17.2 C20.1 C23.1 C24.1 C26.2 C27.2 C33.1 D1.1 D2.1 D3.2 D4.2 D5.1 D6.1 D7.2 D8.1 D9.2 IC1.2 IC2.2 IC3.2 J1.2 LCD1.1 P3.1 P9.1 P14.1 P16.1 P_IBAT.2 P_IL.2 R10.1 R30.1 R37.1 R44.1 SW1.2 SW1.4 SW2.2 SW2.4 U1.J2_10 U1.J3_2 U1.J6_10 U1.J7_2 U2.4 U3.5 U4.4 U5.5 U6.4 U7.5 VH7.2 | length 1203.5
  Top Layer w0.6: v2(181.483,71.882) 181.194,71.593 181.194,69.215 181.483,68.926 U4.4@181.483,68.486 181.483,66.421 v2(182.245,65.659) ; U6.4@185.42,43.848 185.42,42.164 v2(186.182,41.402) ; U6.4@185.42,44.45 185.42,47.371 v2(185.547,47.498) ; v2(185.547,89.154) 185.293,88.9 U2.4@185.293,85.377 185.293,83.566 186.331,82.528 186.944,81.915 v2(187.96,81.915)
  Top Layer w0.8: C9.2@194.167,80.391 194.564,80.391 195.326,79.629 v2(195.326,79.502) ; C16.1@198.501,95.631 196.977,95.631 196.469,96.139 196.469,121.158 196.977,121.666 205.486,121.666 206.629,122.809 206.629,129.286 ; C20.1@198.755,124.46 197.104,124.46 195.199,126.365 195.199,149.987 195.707,150.495 204.851,150.495 205.994,151.638 205.994,158.242 206.608,158.856 206.629,158.877 ; IC3.2@210.439,158.856 IC3.2@210.439,158.877 ; IC2.2@210.566,129.9 IC2.2@210.566,130.048
  Top Layer w1: C2.1@140.319,120.65 149.733,120.65 150.749,119.634 150.749,64.008 175.006,39.751 P_IL.2@175.006,38.887 ; C4.1@140.335,113.157 147.32,113.157 147.955,112.522 147.955,62.611 167.513,43.053 P_IBAT.2@167.513,38.887 ; C6.1@140.335,135.636 155.575,135.636 156.337,134.874 156.337,66.421 166.116,56.642 180.975,56.642 182.88,54.737 186.436,54.737 v2(190.246,58.547) 190.23,58.563 C23.1@190.23,60.706 ; C3.1@140.335,143.129 158.115,143.129 159.131,142.113 159.131,92.583 160.655,91.059 179.959,91.059 181.991,91.059 v2(183.007,90.043) v2(183.007,88.519) v2(183.007,86.995) ; C1.1@140.462,128.143 152.527,128.143 153.543,127.127 153.543,65.278 174.117,44.704 179.578,44.704 181.483,42.799 181.483,36.322 183.642,34.163 v2(193.929,34.163) ; v2(176.911,86.106) 176.911,87.376 177.038,87.503 ; D7.2@184.023,166.989 184.023,169.164 ; D4.2@188.976,166.989 188.976,169.291 189.103,169.418 ; C17.2@190.23,63.246 190.23,63.237 190.764,63.237 v2(191.77,62.23) ; v2(192.024,58.547) 192.04,58.563 192.04,60.087 C15.2@192.659,60.706 ; D3.2@193.929,166.989 193.929,169.164 ; U5.5@194.119,70.866 U5.5@194.183,70.866 ; U7.5@197.929,46.355 U7.5@197.993,46.419 ; C24.1@198.501,153.432 198.723,153.432 R44.1@200.787,155.496 ; C16.1@198.628,95.647 198.85,95.647 R30.1@200.914,97.711 ; C20.1@198.755,124.476 198.977,124.476 R37.1@201.041,126.54
  Top Layer w1.2: SW1.2@182.417,98.665 SW1.4@191.217,98.665 193.534,98.665 193.548,98.679 ; SW2.4@182.544,115.965 SW2.2@191.344,115.965 ; SW2.2@191.77,115.951 192.913,115.951 193.691,115.173 193.691,94.726 v2(197.993,90.424)
  Top Layer w1.5: U1.J3_2@127.508,144.272 130.302,144.272 131.572,145.542 131.572,167.005 133.985,169.418 184.023,169.418 189.103,169.418 193.929,169.418 195.072,169.418 196.088,168.402 196.088,162.941 194.31,161.163 184.023,161.163 182.118,159.258 P9.1@182.118,154.686 P3.1@182.118,146.177 ; v2(197.993,90.424) 198.247,90.424 200.025,92.202 205.232,92.202 206.629,93.599 206.629,101.071 ; R44.1@200.787,155.496 200.787,156.083 203.433,158.729 203.433,158.856 206.608,158.856 IC3.2@210.439,158.856 ; R30.1@200.914,97.711 200.914,98.298 203.56,100.944 203.56,101.071 206.629,101.071 ; R37.1@201.041,126.54 201.041,127.127 203.687,129.773 203.687,129.9 IC2.2@210.566,129.9 ; IC1.2@210.694,101.071 206.629,101.071
  Top Layer w1.9: U1.J7_2@127.508,80.772 140.589,80.772
  Top Layer w2: 140.589,80.772 143.129,78.232 143.129,60.452 146.887,56.694 VH7.2@146.887,36.957 ; U1.J6_10@170.688,83.312 170.688,87.122 171.704,88.138 P16.1@180.848,88.138 ; P16.1@180.975,88.138 182.372,88.138
  Bottom Layer w0.8: v2@194.056,73.152 v2@194.183,73.025 ; v2(195.707,76.327) v2@195.834,76.2
  Bottom Layer w1: 169.526,55.001 169.535,55.001 169.926,54.61 R10.1@181.943,54.61 ; R10.1@181.991,54.737 181.991,52.721 C5.1@182.261,52.451
  Bottom Layer w2: VH7.2@146.887,36.957 149.427,34.417 174.879,34.417 ; LCD1.1@161.417,38.887 161.417,34.925 161.798,34.544 ; 167.513,34.544 P_IBAT.2@167.513,38.887 ; U1.J2_10@170.688,146.812 181.483,146.812 182.118,146.177 P3.1@182.372,145.923 ; P_IL.2@175.006,38.887 175.006,34.544 174.879,34.417 ; v2@193.675,34.417 174.879,34.417 ; 193.929,34.925 196.215,34.925 v2(196.215,48.514) v2@197.739,48.514 ; 197.485,45.339 197.739,45.593 v2@197.739,48.514 ; 197.739,58.166 v2@197.739,48.514 ; B1.1@211.074,56.515 211.074,53.213 211.328,52.959
  Bottom Layer w2.5: 170.942,56.642 172.085,56.642 175.641,60.198 175.641,75.311 176.911,76.581 v2(176.911,86.106) 176.911,93.091 179.07,95.25 ; 180.721,139.192 180.721,138.43 182.118,138.43 ; P14.1@182.118,128.905 182.118,138.43 ; 182.118,139.192 P3.1@182.118,146.177 ; 191.77,138.43 182.118,138.43
  Bottom Layer w3: J1.2@130.846,36.957 130.846,39.66 132.842,41.656 145.034,41.656 146.887,39.803 VH7.2@146.887,36.957
  other v1: 123.952,94.742 125.349,94.742 126.746,94.742 128.143,94.742 129.54,94.742 123.952,96.139 125.349,96.139 126.746,96.139 128.143,96.139 129.54,96.139 123.952,97.536 125.349,97.536 126.746,97.536 128.143,97.536 129.54,97.536 123.952,98.933 125.349,98.933 126.746,98.933 128.143,98.933 129.54,98.933 123.952,100.33 125.349,100.33 126.746,100.33 128.143,100.33 129.54,100.33 123.952,101.727 125.349,101.727 126.746,101.727 128.143,101.727 129.54,101.727 190.5,105.41 191.897,105.41 190.5,106.68 191.897,106.68 190.5,107.95 191.897,107.95 190.5,109.22 191.897,109.22 186.309,113.411 187.579,113.411 188.849,113.411 185.039,114.808 186.309,114.808 187.579,114.808 188.849,114.808 180.249,138.001 181.646,138.001 180.249,139.398 181.646,139.398 180.249,140.795 181.646,140.795 123.952,158.496 125.349,158.496 126.746,158.496 128.143,158.496 129.54,158.496 123.952,159.893 125.349,159.893 126.746,159.893 128.143,159.893 129.54,159.893 123.952,161.29 125.349,161.29 126.746,161.29 128.143,161.29 129.54,161.29 123.952,162.687 125.349,162.687 126.746,162.687 128.143,162.687 129.54,162.687 123.952,164.084 125.349,164.084 126.746,164.084 128.143,164.084 129.54,164.084 123.952,165.481 125.349,165.481 126.746,165.481 128.143,165.481 129.54,165.481
  other v2: 195.834,34.163 195.453,37.465 197.993,48.514 192.278,73.025 194.056,73.025 194.056,76.327 196.088,90.424
GNDA: B1.3 C7.1 C11.1 C14.1 C19.1 GNDA.1 P_VAC.2 P_VPFC.2 R17.1 R26.1 U3.3 U3.4 U5.3 U5.4 | length 0.2
  Bottom Layer w2: 219.329,70.739 219.456,70.866
GNDB: B2.3 C25.1 C30.1 GNDB.1 P_VBAT.2 R39.1 U7.3 U7.4 | length 7.2
  Bottom Layer w1.5: P_VBAT.2@218.948,45.847 220.599,47.498 B2.3@220.599,52.324
NetC1_2: C1.2 D1.2 R1.1 U1.J3_5 VBAT.1 | length 88.3
  Top Layer w1: U1.J3_5@127.508,136.652 131.699,136.652 138.049,130.302 138.281,130.534 D1.2@138.281,125.603
  Bottom Layer w0.6: U1.J3_5@127.508,136.652 139.192,136.652 155.067,152.527 187.96,152.527 VBAT.1@189.992,150.495
NetC2_2: C2.2 D2.2 IL.1 R2.1 U1.J3_6 | length 95.1
  Top Layer w1: U1.J3_6@127.508,134.112 131.699,134.112 136.271,129.54 136.271,124.587 137.922,122.936 R2.1@138.176,122.936 ; D2.2@138.281,118.11 138.281,123.041 R2.1@138.303,123.063
  Bottom Layer w0.6: U1.J3_6@127.508,134.112 138.176,134.112 155.448,151.384 185.166,151.384 189.992,146.558 IL.1@189.992,146.304
NetC3_2: C3.2 D5.2 R5.1 U1.J3_3 VAC.1 | length 85.1
  Top Layer w1: U1.J3_3@127.508,141.732 138.303,141.732 ; D5.2@138.303,140.589 138.303,141.732 ; R5.1@138.303,145.415 138.303,141.732
  Bottom Layer w0.6: U1.J3_3@127.508,141.732 140.97,141.732 158.115,158.877 VAC.1@189.865,158.877
NetC4_2: C4.2 D6.2 IBAT.1 R6.1 U1.J3_7 | length 102.5
  Top Layer w1: U1.J3_7@127.508,131.572 131.445,131.572 134.366,128.651 134.366,118.872 138.025,115.213 R6.1@138.255,115.443 ; D6.2@138.259,110.646 R6.1@138.259,115.526
  Bottom Layer w0.6: U1.J3_7@127.508,131.572 137.16,131.572 155.829,150.241 183.134,150.241 189.865,143.51 IBAT.1@189.865,142.113
NetC6_2: C6.2 D8.2 R11.1 U1.J3_4 VPFC.1 | length 87.9
  Top Layer w1: U1.J3_4@127.508,139.192 136.652,139.192 138.089,137.755 R11.1@138.255,137.922 138.303,137.922 D8.2@138.303,133.096
  Bottom Layer w0.6: U1.J3_4@127.508,139.192 140.081,139.192 158.75,157.861 186.563,157.861 VPFC.1@189.992,154.432
NetC10_1: C10.1 R12.1 R16.2 U2.3 | length 12.4
  Top Layer w0.6: R12.1@186.436,88.138 188.833,88.138 C10.1@188.976,88.281 ; R12.1@186.563,88.09 U2.3@186.563,85.377 186.563,84.074 187.452,83.185 R16.2@191.976,83.185 R16.2@192.024,83.185
NetC11_2: C11.2 R15.1 U3.2 | length 5.1
  Top Layer w1.2: U3.2@207.201,83.185 R15.1@212.344,83.185